# KiCad board GhostPAW.kicad_pcb
title: GhostPAW; date: 2025-09-07; rev: 0.1; company: _RoseDaggerDev
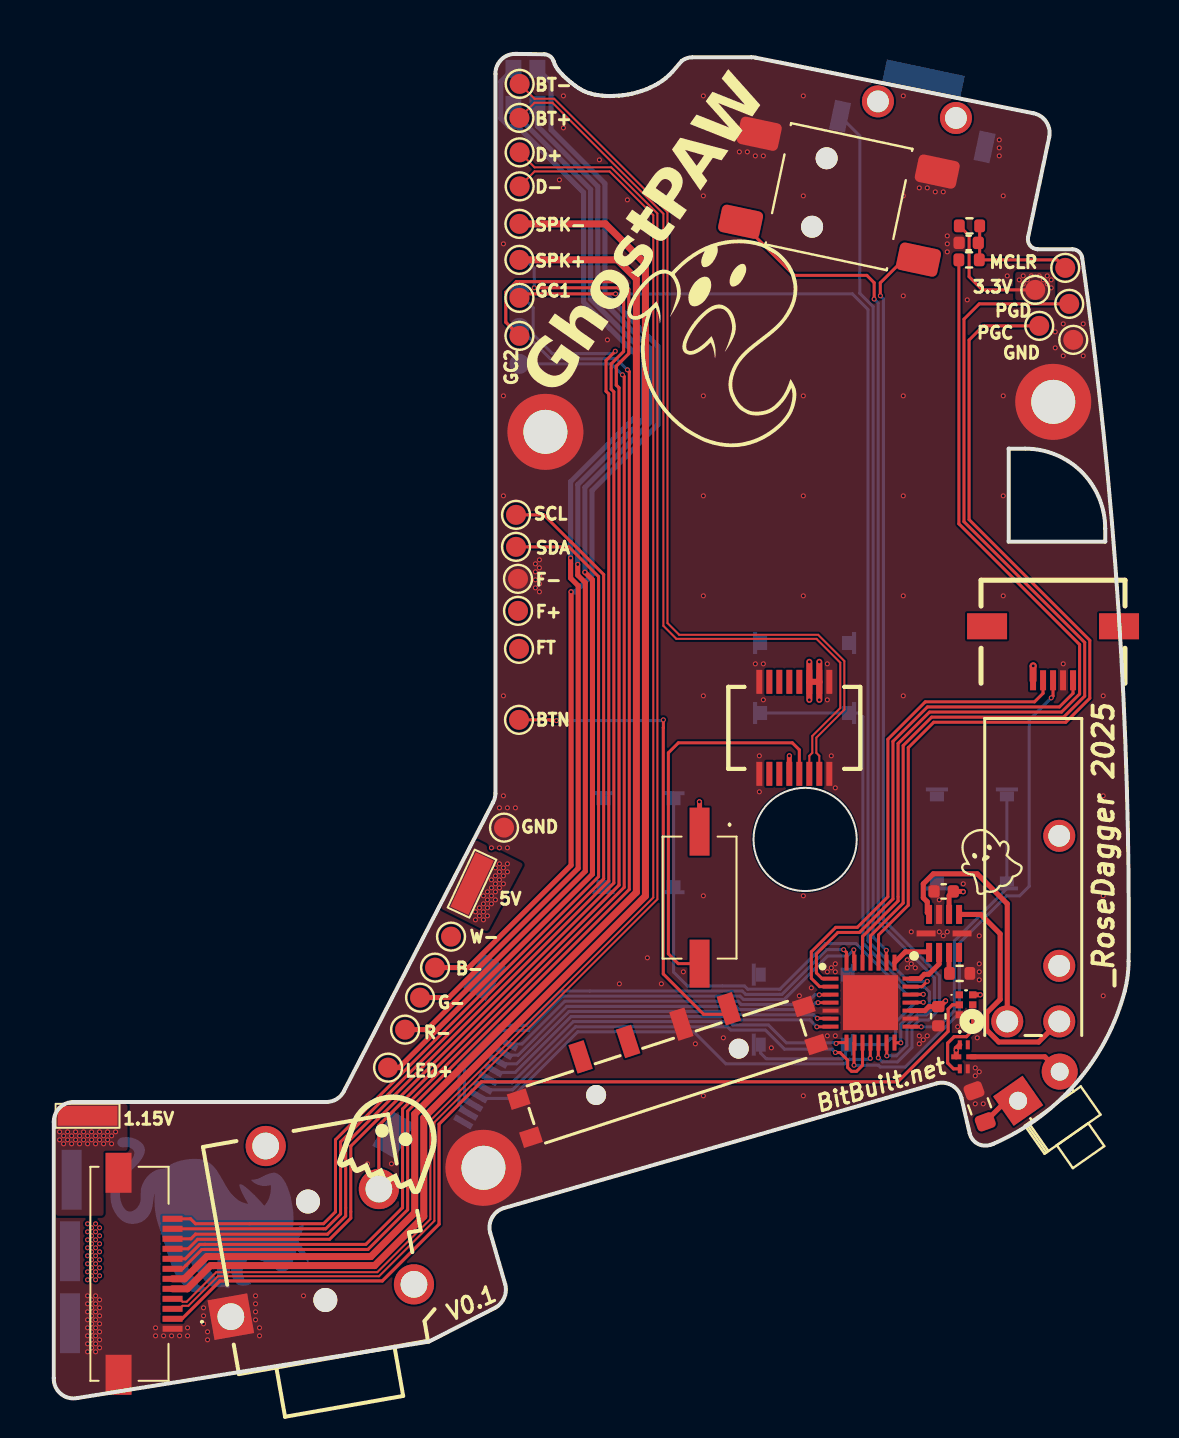
[diagram p0: board, top side]
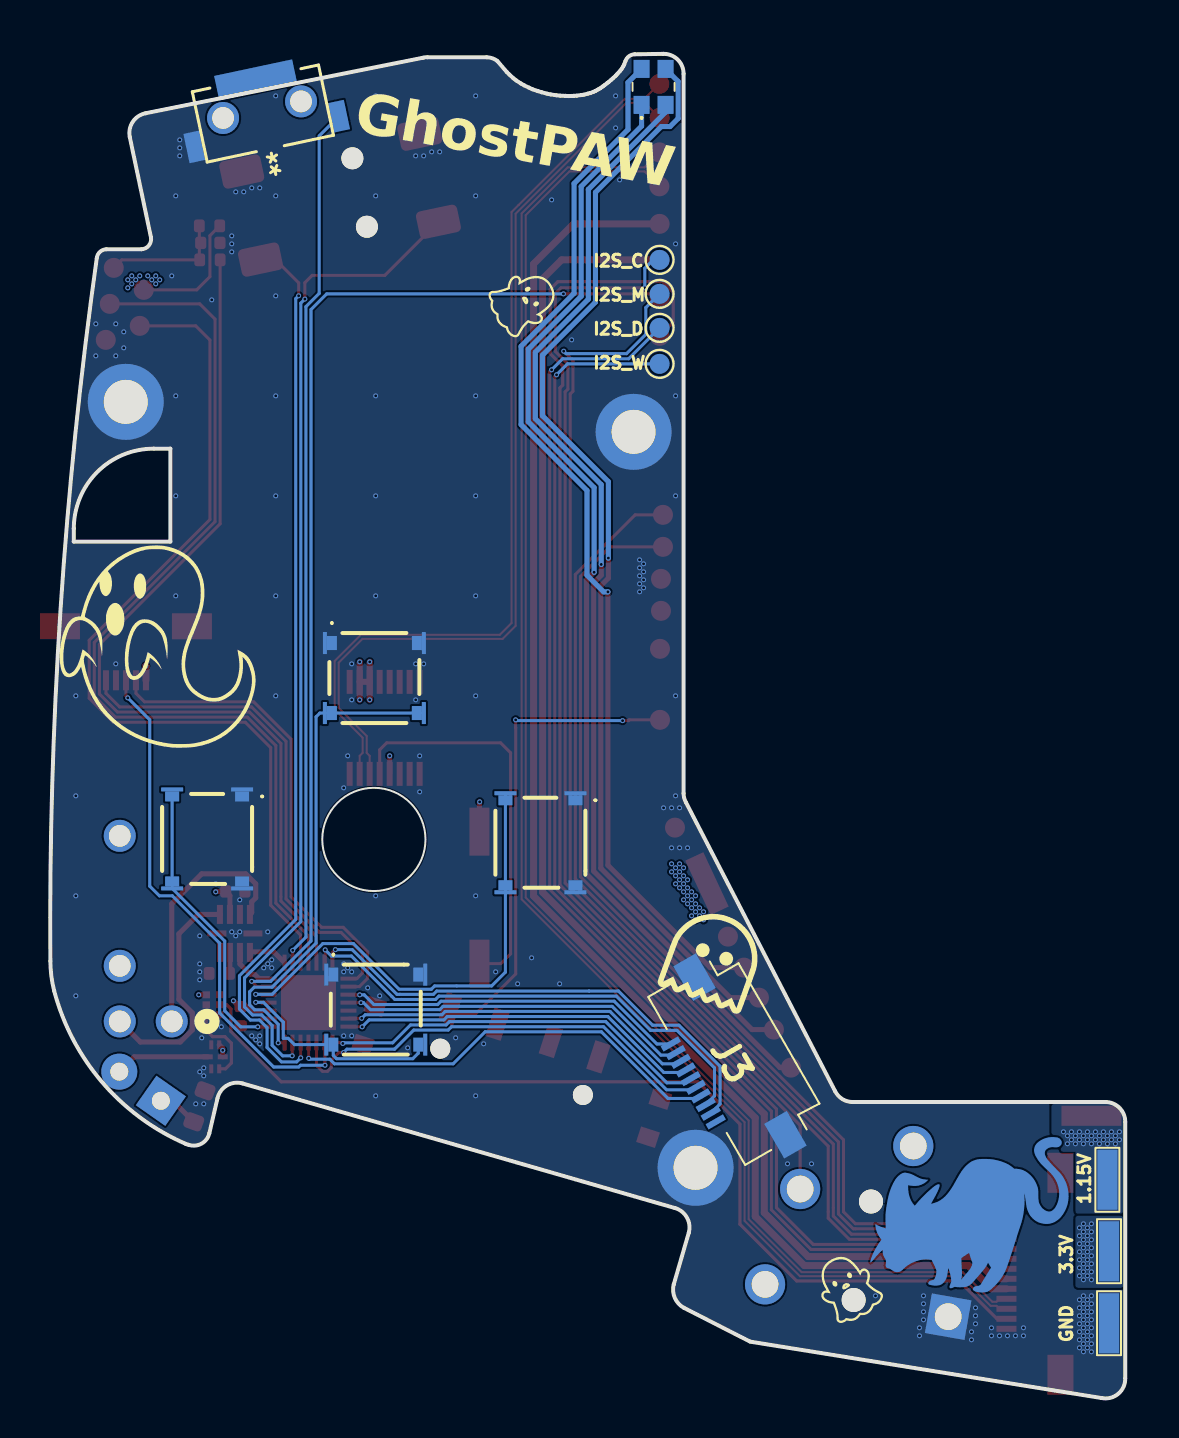
[diagram p1: board, bottom side, seen from below]

Outline 53.76 x 67.21 mm; copper layers: Top, In1.Cu, In2.Cu, Bottom. Coordinates in mm from the lower left corner of the outline.
Outline path: circle c37.58,27.93 r2.58 ; 46.84,12.66 arc(46.2,12.72) 45.81,13.24 45.4,15 arc(44.93,15.63) 44.15,15.73 22.52,9.5 arc(21.92,9.02) 21.83,8.26 22.58,5.68 arc(22.53,5.01) 22.07,4.51 18.76,2.82 1.18,0 arc(0.35,0.21) 0,0.99 0,13.8 arc(0.29,14.51) 1,14.8 13.62,14.8 arc(14.14,14.94) 14.51,15.34 21.97,29.78 arc(22.06,30) 22.09,30.24 22.09,66.21 arc(22.39,66.93) 23.11,67.21 24.53,67.19 arc(24.82,67.09) 25,66.84 25.06,66.68 25.11,66.58 25.2,66.44 25.28,66.34 25.4,66.21 25.48,66.12 25.61,66 25.7,65.92 25.83,65.81 25.92,65.74 26.05,65.64 26.13,65.58 26.26,65.49 26.35,65.44 26.49,65.36 26.6,65.31 26.76,65.25 26.88,65.22 27.07,65.17 27.21,65.15 27.43,65.12 27.58,65.11 27.83,65.1 28,65.11 28.27,65.12 28.45,65.14 28.73,65.18 28.92,65.22 29.19,65.29 29.38,65.35 29.65,65.44 29.82,65.52 30.07,65.64 30.23,65.73 30.46,65.88 30.6,65.99 30.8,66.17 30.93,66.3 31.41,66.86 arc(31.66,66.99) 31.94,67.04 34.89,67.04 arc(35,67.04) 35.1,67.02 49,64.24 arc(49.64,63.81) 49.79,63.06 48.73,58.04 arc(48.83,57.63) 49.21,57.44 50.95,57.44 arc(51.28,57.31) 51.44,56.99 arc(53.25,39.46) 53.76,21.84 arc(53.71,21.09) 53.57,20.36 arc(51.16,15.78) 46.99,12.71 ; 47,12.71 46.84,12.66 ; 47.76,47.47 47.76,42.82 52.59,42.82 52.59,43.47 arc(51.42,46.3) 48.59,47.47 47.76,47.47
Stack: Top 0.035mm / dielectric 0.1mm FR4 er 4.5 / In1.Cu 0.035mm / dielectric 0.24mm FR4 er 4.5 / In2.Cu 0.035mm / dielectric 0.1mm FR4 er 4.5 / Bottom 0.035mm

## Placement (name value [footprint] x y rotation side)
C1  100n  [C_0402_1005Metric]  44.24 19.09 90 top
C2  C_Small  [C_0402_1005Metric]  44.51 25.33 180 top
C3  100n  [C_0402_1005Metric]  45.76 57.76 0 top
D1  LED  [LED_D1.8mm_W1.8mm_H2.4mm_Horizontal_O1.27mm_Z8.2mm]  48.23 14.86 35 top
G***  -  [LOGO]  33.49 53.11 330 top
G***#2  -  [LOGO]  16.94 12.96 340 top
G***#3  -  [LOGO]  46.69 26.91 30 top
G***#4  -  [LOGO]  7.43 10.01 190 bottom
G***#5  -  [LOGO]  48.39 37.61 180 bottom
G***#6  -  [LOGO]  20.62 21.98 200 bottom
G***#7  -  [LOGO]  13.89 5.51 150 bottom
G***#8  -  [LOGO]  30.09 54.81 240 bottom
H1  SJ3-35094A  [SJ335094A]  8.86 4.07 100 top
H2  MountingHole_Pad  [MountingHole_2.2mm_M2_DIN965_Pad]  24.59 48.31 0 top
H3  MountingHole_Pad  [MountingHole_2.2mm_M2_DIN965_Pad]  21.49 11.51 0 top
H4  MountingHole_Pad  [MountingHole_2.2mm_M2_DIN965_Pad]  49.99 49.81 0 top
IC1  PIC18F24K42-I_MV  [QFN40P400X400X55-29N-D]  40.85 19.77 0 top
IC2  DRV2603RUNR  [QFN50P200X200X80-10N-D]  44.53 23.23 90 top
IC6  74LVC1G04GM,115  [PESD3V3L5UF115]  45.63 19.66 270 top
IC9  -  [TPS22995RZFR]  45.52 17.06 0 top
J1  Conn_01x05_Socket  [5051100592]  49.98 38.14 180 top
J2  54102-0164  [541020164]  37.04 33.51 180 top
J3  505110-1092  [5051101092]  19.46 16.99 60 bottom
J4  505110-1292  [5051101292]  3.48 6.21 270 top
LED1  ASMB-LTC2-0A335  [ASMBLTC20A335]  23.59 65.56 270 bottom
M1  VZ4KC1B1051202  [VZ4KC1B1051202_VYB]  47.69 18.83 180 top
R1  10k  [R_0402_1005Metric]  45.31 21.23 0 top
R2  10k  [R_0402_1005Metric]  45.8 58.61 180 top
R3  100  [R_0402_1005Metric]  45.78 56.91 180 top
R4  18  [R_0603_1608Metric]  46.31 14.59 110 top
S1  -  [TL3315NF100Q]  37.55 36 180 bottom
S2  -  [TL3315NF100Q]  37.48 19.42 180 bottom
S3  -  [TL3315NF100Q]  45.92 27.96 270 bottom
S4  -  [TL3315NF100Q]  29.25 27.77 270 bottom
S5  PTS636_SK25F_SMTR_LFS  [PTS636SK25FSMTRLFS]  32.3 25.02 270 top
SW1  GC_Two_State_Switch  [GC_Two_state_switch]  39.27 60.07 78 top
SW2  CUS-13TB  [CUS-13TB_NDC]  30.69 16.31 18 top
TP1  LED -R  [TestPoint_Pad_D1.0mm]  23.29 64.01 0 top
TP2  LED -G  [TestPoint_Pad_D1.0mm]  23.3 65.71 0 top
TP3  5V  [TestPoint_Pad_3x1.0mm]  0.81 7.34 90 bottom
TP4  LED -R  [TestPoint_Pad_D1.0mm]  23.3 62.29 0 top
TP5  LED -G  [TestPoint_Pad_D1.0mm]  23.3 60.59 0 top
TP6  LED -R  [TestPoint_Pad_D1.0mm]  23.29 55.21 180 bottom
TP7  SCL  [TestPoint_Pad_D1.0mm]  23.12 44.16 0 top
TP8  SDA  [TestPoint_Pad_D1.0mm]  23.12 42.56 0 top
TP9  LED -R  [TestPoint_Pad_D1.0mm]  23.29 56.91 180 bottom
TP10  FAN+  [TestPoint_Pad_D1.0mm]  23.22 39.36 0 top
TP11  5V  [TestPoint_Pad_3x1.0mm]  0.81 3.74 90 bottom
TP12  FAN-  [TestPoint_Pad_D1.0mm]  23.22 40.96 0 top
TP13  LED -R  [TestPoint_Pad_D1.0mm]  23.29 51.71 180 bottom
TP14  FAN_TACH  [TestPoint_Pad_D1.0mm]  23.27 37.46 0 top
TP15  LED -R  [TestPoint_Pad_D1.0mm]  23.29 56.91 0 top
TP16  LED -R  [TestPoint_Pad_D1.0mm]  23.29 58.71 0 top
TP17  LED -R  [TestPoint_Pad_D1.0mm]  23.29 53.51 180 bottom
TP18  BTN  [TestPoint_Pad_D1.0mm]  23.27 33.91 0 top
TP19  5V  [TestPoint_Pad_3x1.0mm]  0.89 10.91 270 bottom
TP20  5V  [TestPoint_Pad_3x1.0mm]  1.69 14.11 0 top
TP21  LED -G  [TestPoint_Pad_D1.0mm]  23.29 55.01 0 top
TP22  LED -G  [TestPoint_Pad_D1.0mm]  23.29 53.11 0 top
TP23  U10  [TestPoint_Pad_D1.0mm]  22.52 28.52 0 top
TP24  LED -R  [TestPoint_Pad_D1.0mm]  50.59 56.51 0 top
TP25  5V  [TestPoint_Pad_3x1.0mm]  20.92 25.72 65 top
TP26  LED -R  [TestPoint_Pad_D1.0mm]  49.09 55.41 0 top
TP27  LED -R  [TestPoint_Pad_D1.0mm]  50.79 54.71 0 top
TP28  LED -W  [TestPoint_Pad_D1.0mm]  19.87 23.07 0 top
TP29  LED -B  [TestPoint_Pad_D1.0mm]  19.07 21.52 0 top
TP30  LED -G  [TestPoint_Pad_D1.0mm]  18.32 20.02 0 top
TP31  LED -R  [TestPoint_Pad_D1.0mm]  49.29 53.61 0 top
TP32  LED -R  [TestPoint_Pad_D1.0mm]  17.57 18.42 0 top
TP33  LED -R  [TestPoint_Pad_D1.0mm]  50.99 52.91 0 top
TP34  LED +  [TestPoint_Pad_D1.0mm]  16.72 16.52 0 top
U6  KSC441V2 70SH SPDELTA LFS  [SW3_KSC441V2]  42.94 63.33 348 bottom

## Library data of the parts
C1-C3 = -: Description: Unpolarized capacitor, small symbol; ki_fp_filters: C_*
D1 = -: Description: Light emitting diode; Sim.Pins: 1=K 2=A; ki_fp_filters: LED* LED_SMD:* LED_THT:*
H1 = -: Datasheet: https://www.sameskydevices.com/product/resource/sj3-3509x.pdf; Description: 3.50mm (0.141", 1/8", Mini Plug) - Headphone Phone Jack Stereo (4 Conductor, TRRS) Connector Solder; Height: 6.2; Mouser Part Number: 179-SJ3-35094A; Mouser Price/Stock: https://www.mouser.co.uk/ProductDetail/Same-Sky/SJ3-35094A?qs=IKkN%2F947nfA8GkuzO%2F2WRA%3D%3D; Manufacturer_Name: Same Sky
H2-H4 = -: ki_fp_filters: MountingHole*Pad*
IC1 = -: Datasheet: https://www.arrow.com/en/products/pic18f24k42-imv/microchip-technology?region=nac; Description: 8-bit Microcontrollers - MCU 16KB Flash, 1KB RAM, 256B EEPROM, 12-bit ADC2, Vector Interrupts, DMA, MAP, DIA, DAC, Comp, PWM, CWG, HLT, WWDT, SCAN/CRC, ZCD, PPS, UART, SPI/I2C, IDLE/DOZE/PMD; Height: 0.55; Mouser Part Number: 579-PIC18F24K42-I/MV; Mouser Price/Stock: https://www.mouser.co.uk/ProductDetail/Microchip-Technology/PIC18F24K42-I-MV?qs=IP4CA2YhK0D%252B%252B9J965U9dw%3D%3D; Manufacturer_Name: Microchip; Manufacturer_Part_Number: PIC18F24K42-I/MV
IC2 = -: Datasheet: http://www.ti.com/lit/gpn/drv2603; Description: Haptic Driver with Auto Resonance Tracking for LRA and Optimized Drive for ERM; Height: 0.8; Mouser Part Number: 595-DRV2603RUNR; Mouser Price/Stock: https://www.mouser.co.uk/ProductDetail/Texas-Instruments/DRV2603RUNR?qs=l6ZoeTYLMwNhoGl8Q31%2FaA%3D%3D; Manufacturer_Name: Texas Instruments
IC6 = -: Datasheet: https://assets.nexperia.com/documents/data-sheet/74LVC1G04.pdf; Description: 74LVC1G04 - Single inverter@en-us; Height: 0.5; Mouser Part Number: 771-LVC1G04GM115; Mouser Price/Stock: https://www.mouser.co.uk/ProductDetail/Nexperia/74LVC1G04GM115?qs=me8TqzrmIYXvgrQ5OHD1Cw%3D%3D; Manufacturer_Name: Nexperia
IC9 = -: Datasheet: https://www.ti.com/general/docs/suppproductinfo.tsp?distId=26&gotoUrl=https://www.ti.com/lit/gpn/tps22995; Description: Power Switch ICs - Power Distribution; Height: 0.8; Mouser Part Number: 595-TPS22995RZFR; Mouser Price/Stock: https://www.mouser.co.uk/ProductDetail/Texas-Instruments/TPS22995RZFR?qs=rQFj71Wb1eVPl%2Fzruf4rsQ%3D%3D; Manufacturer_Name: Texas Instruments
J1 = -: Description: Generic connector, single row, 01x05, script generated; ki_fp_filters: Connector*:*_1x??_*
J2 = -: Datasheet: https://www.molex.com/pdm_docs/sd/541020164_sd.pdf; Description: Molex SLIMSTACK Series 0.5mm 16 Way 2 Row Straight PCB Socket Surface Mount Board to Board; Height: 2.45; Mouser Part Number: 538-54102-0164; Mouser Price/Stock: https://www.mouser.co.uk/ProductDetail/Molex/54102-0164?qs=QVBMgXxBiLxElgERTWRagA%3D%3D; Manufacturer_Name: Molex
J3 = -: Datasheet: https://www.molex.com/webdocs/datasheets/pdf/en-us/5051101092_FFC_FPC_CONNECTORS.pdf; Description: Molex Easy-On Series 0.5mm Pitch 10 Way Right Angle SMT Male FPC Connector, ZIF Bottom Contact; Height: 0; Mouser Part Number: 538-505110-1092; Mouser Price/Stock: https://www.mouser.co.uk/ProductDetail/Molex/505110-1092?qs=BA62vJVifGrjJfo6A8tlOw%3D%3D; Manufacturer_Name: Molex
J4 = -: Datasheet: https://componentsearchengine.com/Datasheets/1/505110-1292.pdf; Description: Molex Easy-On Series 0.5mm Pitch 12 Way Right Angle SMT Male FPC Connector, ZIF Bottom Contact; Height: 3.95; Mouser Part Number: 538-505110-1292; Mouser Price/Stock: https://www.mouser.co.uk/ProductDetail/Molex/505110-1292?qs=BA62vJVifGptACMEATLLfQ%3D%3D; Manufacturer_Name: Molex
LED1 = -: Datasheet: https://datasheet.datasheetarchive.com/originals/distributors/Datasheets_SAMA/7bf4059288332b456b15eab80a49c995.pdf; Description: LED Multi-Color Chip Red/Green/Blue 621nm/525nm/468nm 25mA/15mA/15mA 4-Pin PLCC T/R - Tape and Reel; Height: 1.2; Mouser Part Number: 630-ASMB-LTC2-0A335; Mouser Price/Stock: https://www.mouser.co.uk/ProductDetail/Broadcom-Avago/ASMB-LTC2-0A335?qs=PqoDHHvF64%252BTpsIt8ceXfQ%3D%3D; Manufacturer_Name: Avago Technologies
M1 = -: ki_fp_filters: VZ4KC1B1051202_VYB
R1-R4 = -: Description: Resistor, small symbol; ki_fp_filters: R_*
S1-S4 = -: Datasheet: https://configured-product-images.s3.amazonaws.com/2D/specs/TL3315NF100Q.pdf; Description: TACT, 50mA, 15VDC SPST-NO, Off-(On) Surface Mount; Height: 0.85; Mouser Part Number: 612-TL3315NF100Q; Mouser Price/Stock: https://www.mouser.co.uk/ProductDetail/E-Switch/TL3315NF100Q?qs=g35H13458KZZxv0XYR2YuQ%3D%3D; Manufacturer_Name: E-Switch
S5 = -: Description: Tactile Switches Tact 50mA 12VDC, 6.0x3.5, 2.5mm H, 250gf, F leads, No ground pin, Red Actuator; Height: 2.7; Mouser Part Number: 611-PTS636SK25FSMTRL; Mouser Price/Stock: https://www.mouser.co.uk/ProductDetail/CK/PTS636-SK25F-SMTR-LFS?qs=vLWxofP3U2zO9PvdsA2GhQ%3D%3D; Manufacturer_Name: C & K COMPONENTS; Manufacturer_Part_Number: PTS636 SK25F SMTR LFS
SW1 = -: Description: Double Pole Single Throw (DPST) Switch
SW2 = -: ki_fp_filters: CUS-13TB_NDC
TP1-TP34 = -: ki_fp_filters: Pin* Test*
U6 = -: ki_fp_filters: SW3_KSC441V2

## Footprints (pads in the part's own frame, mm; a bottom-side part is the same pattern mirrored in y, then rotated)
541020164
  rect 0.3x1.2 smd: 1(-1.75,-2.3) 2(-1.25,-2.3) 3(-0.75,-2.3) 4(-0.25,-2.3) 5(0.25,-2.3) 6(0.75,-2.3) 7(1.25,-2.3) 8(1.75,-2.3) 9(1.75,2.3) 10(1.25,2.3) 11(0.75,2.3) 12(0.25,2.3) 13(-0.25,2.3) 14(-0.75,2.3) 15(-1.25,2.3) 16(-1.75,2.3)
5051100592
  rect 0.3x1 smd: 1(-1,2.252) 2(-0.5,2.252) 3(0,2.252) 4(0.5,2.252) 5(1,2.252)
  rect 2x1.3 smd: 6(-3.3,-0.448) 7(3.3,-0.448)
5051101092
  rect 0.3x1 smd: 1(-2.25,2.475) 2(-1.75,2.475) 3(-1.25,2.475) 4(-0.75,2.475) 5(-0.25,2.475) 6(0.25,2.475) 7(0.75,2.475) 8(1.25,2.475) 9(1.75,2.475) 10(2.25,2.475)
  rect 2x1.3 smd: 11(-4.55,-0.225) 12(4.55,-0.225)
5051101292
  rect 0.3x1 smd: 1(-2.75,2.455) 2(-2.25,2.455) 3(-1.75,2.455) 4(-1.25,2.455) 5(-0.75,2.455) 6(-0.25,2.455) 7(0.25,2.455) 8(0.75,2.455) 9(1.25,2.455) 10(1.75,2.455) 11(2.25,2.455) 12(2.75,2.455)
  rect 2x1.3 smd: MP1(-5.05,-0.245) MP2(5.05,-0.245)
ASMBLTC20A335
  rect 0.9x0.8 smd: 1(0.9,-0.6) 2(0.9,0.6) 3(-0.9,0.6) 4(-0.9,-0.6)
C_0402_1005Metric
  rrect 0.56x0.62 smd: 1(-0.48,0) 2(0.48,0)
CUS-13TB_NDC
  round 1 hole 1 unplated: (-3.75,0) (3.75,0)
  rect 0.8x1.499 smd: 1(-3.9,2.052) 2(-1.4,2.052) 3(1.4,2.052) 4(3.9,2.052)
  rect 0.991x0.813 smd: SH(-7.5,1) SH(-7.5,-1) SH(7.5,1) SH(7.5,-1)
GC_Two_state_switch
  round 1.1 hole 1.1 unplated: (-1.75,1) (1.75,1)
  rrect 1.4x2.1 smd: 1(-2.25,4.55) 2(-2.25,-4.55) C(2.25,4.55) C(2.25,-4.55)
LED_D1.8mm_W1.8mm_H2.4mm_Horizontal_O1.27mm_Z8.2mm
  rect 1.8x1.8 hole 0.9: 1(0,0)
  round 1.8 hole 0.9: 2(2.54,0)
MountingHole_2.2mm_M2_DIN965_Pad
  round 3.8 hole 2.2: 1(0,0)
PESD3V3L5UF115
  rect 0.35x0.37 smd: 1(-0.5,-0.337) 2(0,-0.337) 3(0.5,-0.337) 4(0.5,0.337) 5(0,0.337) 6(-0.5,0.337)
PTS636SK25FSMTRLFS
  rect 2.4x1 smd: 1(-3.3,0) 2(3.3,0)
QFN40P400X400X55-29N-D
  rect 0.8x0.2 smd: 1(-2,1.2) 2(-2,0.8) 3(-2,0.4) 4(-2,0) 5(-2,-0.4) 6(-2,-0.8) 7(-2,-1.2) 15(2,-1.2) 16(2,-0.8) 17(2,-0.4) 18(2,0) 19(2,0.4) 20(2,0.8) 21(2,1.2)
  rect 0.2x0.8 smd: 8(-1.2,-2) 9(-0.8,-2) 10(-0.4,-2) 11(0,-2) 12(0.4,-2) 13(0.8,-2) 14(1.2,-2) 22(1.2,2) 23(0.8,2) 24(0.4,2) 25(0,2) 26(-0.4,2) 27(-0.8,2) 28(-1.2,2)
  rect 2.75x2.75 smd: 29(0,0)
QFN50P200X200X80-10N-D
  rect 0.95x0.3 smd: 1(-0.95,0.75) 2(-0.95,0.25) 3(-0.95,-0.25) 4(-0.95,-0.75) 6(0.95,-0.75) 7(0.95,-0.25) 8(0.95,0.25) 9(0.95,0.75)
  rect 0.3x0.95 smd: 5(0,-0.9) 10(0,0.9)
R_0402_1005Metric
  rrect 0.54x0.64 smd: 1(-0.51,0) 2(0.51,0)
R_0603_1608Metric
  rrect 0.8x0.95 smd: 1(-0.825,0) 2(0.825,0)
SJ335094A
  round 1.2 hole 1.2 unplated: (0,-4.8) (5,-4.8)
  rect 2.01x2.01 hole 1.34: 1(0,0)
  round 2.01 hole 1.34: 2(5,-8.4) 3(8.1,-3.2) 4(0,-9.3)
SW3_KSC441V2
  rect 0.813x1.499 smd: 1(-3.696,0) 2(3.696,0)
  rect 3.988x1.245 smd: 3(0,-2.642)
  round 1.6 hole 1.092: 4(1.994,-1.118) 5(-1.994,-1.118)
TestPoint_Pad_3x1.0mm
  rect 3x1 smd: 1(0,0)
TestPoint_Pad_D1.0mm
  round 1 smd: 1(0,0)
TL3315NF100Q
  rect 0.5x0.7 smd: 1(-2.125,1.75) 2(2.125,1.75) 3(-2.125,-1.75) 4(2.125,-1.75)
  rect 0.2x1.1 smd: 5(-2.475,1.75) 6(2.475,1.75) 7(-2.475,-1.75) 8(2.475,-1.75)
TPS22995RZFR
  rect 0.2x0.45 smd: 1(-0.2,0.6) 3(-0.2,-0.6) 4(0.2,-0.6) 6(0.2,0.6)
  rect 0.5x0.25 smd: 2(-0.375,0) 5(0.375,0)
VZ4KC1B1051202_VYB
  round 1.6 hole 1.092: 1(0,0) 2(-2.6,0) 3(-2.6,-2.78) 4(-2.6,-9.28)

## Nets
+1V15: TP19.1 TP20.1
+3V3: C1.2 C2.1 H1.4 IC1.17 IC2.7 IC6.6 IC9.1 IC9.2 J1.5 J2.2 J2.3 J2.12 R2.2 S5.1 TP3.1 TP26.1
+5V: H1.3 TP25.1
GND: C1.1 C2.2 C3.1 H1.1 H2.1 H3.1 H4.1 IC1.5 IC1.16 IC1.29 IC2.5 IC2.8 IC2.10 IC6.3 IC9.4 J1.2 J2.1 J2.8 J2.9 J2.16 J3.11 J3.12 J4.12 J4.MP1 J4.MP2 R1.2 R4.2 S1.1 S1.2 S1.5 S1.6 S2.1 S2.2 S2.5 S2.6 S3.1 S3.2 S3.5 S3.6 S4.1 S4.2 S4.5 S4.6 SW1.C SW2.3 SW2.SH TP11.1 TP12.1 TP23.1 TP33.1 U6.2
VDD: LED1.1 TP34.1
A_BUTTON: IC1.3 J3.10
B-: LED1.4 TP29.1
B_BUTTON: IC1.4 J3.9
BT_DATA+: J2.14 TP1.1
BT_DATA-: J2.15 TP2.1
BT_SYNC: J2.13 S5.2
BTN: SW2.4 TP18.1
C_IN: J4.4 TP9.1
D_DOWN_BUTTON: IC1.15 S3.3 S3.4 S3.7 S3.8
D_IN: J4.6 TP17.1
D_LEFT_BUTTON: IC1.19 S4.3 S4.4 S4.7 S4.8
D_RIGHT_BUTTON: IC1.18 S2.3 S2.4 S2.7 S2.8
D_UP_BUTTON: IC1.14 S1.3 S1.4 S1.7 S1.8
FAN+: TP10.1
FAN_TACH: TP14.1
G-: LED1.3 TP30.1
GC_AUX_DATA: H1.2 TP22.1
GC_DATA: IC1.20 TP21.1
HPD: IC6.2 J4.11
L1_BUTTON: IC1.23 U6.1
L2_1_BUTTON: IC1.13 SW1.1
L2_2_BUTTON: IC1.12 SW1.2
LS_3: IC1.9 J1.3
LS_X: IC1.1 J1.1
LS_Y: IC1.2 J1.4
M_IN: J4.3 TP6.1
MCLR: C3.2 R2.1 R3.1 TP24.1
PGC: IC1.24 TP31.1
PGD: IC1.25 TP27.1
R1_BUTTON: IC1.8 J3.6
R2_1_BUTTON: IC1.10 J3.5
R2_2_BUTTON: IC1.11 J3.4
R-: LED1.2 TP32.1
RS_3: J3.1
RS_X: IC1.27 J3.3
RS_Y: IC1.28 J3.2
RUMBLE+: IC2.9 M1.1
RUMBLE-: IC2.6 M1.2
RUMBLE_EN: IC1.22 IC2.1
RUMBLE_PWM: IC1.21 IC2.2
SCL: J4.2 TP7.1
SDA: J4.1 TP8.1
SPKL+: J4.7 TP15.1
SPKL-: J4.8 TP16.1
USB_DATA+: J4.10 TP4.1
USB_DATA-: J4.9 TP5.1
W-: TP28.1
W_IN: J4.5 TP13.1
X_BUTTON: IC1.6 J3.8
Y_BUTTON: IC1.7 J3.7
Net-(D1-A): D1.2 IC9.5
Net-(D1-K): D1.1 R4.1
Net-(IC1-RE3/~{MCLR}/VPP): IC1.26 R3.2
Net-(IC2-LRA/~{ERM}): IC2.3 R1.1
Net-(IC6-Y): IC6.4 IC9.3

Pads without a net: IC2 4; IC6 1 5; IC9 6; J1 6 7; J2 4 5 6 7 10 11; M1 3 4; SW2 1 2; U6 3 4 5

## Via types
v1: diameter 0.25, hole 0.15, Top to Bottom, 323 vias

## Routing (per net, layer and track width the routed paths; a pad name or vN(x,y) marks a point on that pad's centre or on a via; arc(x,y) is an arc through that point)
+1V15:
  vias: v1(0.29,13.31) v1(0.29,12.91) v1(0.49,13.11) v1(0.49,12.71) v1(0.69,13.31) v1(0.69,12.91) v1(0.89,13.11) v1(0.89,12.71) v1(1.09,13.31) v1(1.09,12.91) v1(1.29,13.11) v1(1.29,12.71) v1(1.49,13.31) v1(1.49,12.91) v1(1.69,13.11) v1(1.69,12.71) v1(1.89,13.31) v1(1.89,12.91) v1(2.09,13.11) v1(2.09,12.71) v1(2.29,13.31) v1(2.29,12.91) v1(2.49,13.11) v1(2.49,12.71) v1(2.69,13.31) v1(2.69,12.91) v1(2.89,13.11) v1(2.89,12.71) v1(3.09,13.31)
+3V3: length 18.5
  Top w0.152: R2.2 45.78,58.12 45.78,56.07 46.44,55.41 TP26.1
  Top w0.25: J2.12 v1(36.79,32.11) ; IC1.17 43.57,19.37 43.77,19.57 C1.2 44.32,19.57 v1(44.61,19.86) ; IC2.7 44.78,25.12 C2.1 45.47,25.33 v1(45.49,25.31) ; S5.1 32.3,29.8 v1(32.29,29.81)
  Top w0.254: IC6.6 v1(46.34,20.16) ; 45.31,17.66 45.14,17.49 v1(45.14,17.39) IC9.2
  Top w0.305: J2.2 v1(38.29,36.81) ; J2.2 J2.3 ; J2.2 v1(38.29,34.91) ; J2.3 v1(37.79,34.91) ; J2.3 v1(37.79,36.81)
  Top w0.35: J1.5 48.98,36.6 v1(48.99,36.61)
  vias: v1(1.69,8.71) v1(1.69,8.31) v1(1.69,7.91) v1(1.69,7.51) v1(1.69,7.11) v1(1.69,6.71) v1(1.69,6.31) v1(1.69,5.91) v1(1.89,8.51) v1(1.89,8.11) v1(1.89,7.71) v1(1.89,7.31) v1(1.89,6.91) v1(1.89,6.51) v1(1.89,6.11) v1(2.09,8.71) v1(2.09,8.31) v1(2.09,7.91) v1(2.09,7.51) v1(2.09,7.11) v1(2.09,6.71) v1(2.09,6.31) v1(2.09,5.91) v1(2.29,8.51) v1(2.29,8.11) v1(2.29,7.71) v1(2.29,7.31) v1(2.29,6.91) v1(2.29,6.51) v1(2.29,6.11) v1(48.29,55.91) v1(48.49,56.11) v1(48.49,55.71) v1(48.69,55.91) v1(48.89,56.11) v1(49.29,56.11) v1(49.49,55.91) v1(49.69,56.11) v1(49.69,55.71) v1(49.89,55.91) v1(49.89,55.51)
+5V:
  vias: v1(21.09,24.31) v1(21.09,23.91) v1(21.29,24.51) v1(21.29,24.11) v1(21.49,25.11) v1(21.49,24.71) v1(21.49,24.31) v1(21.49,23.91) v1(21.69,25.31) v1(21.69,24.91) v1(21.69,24.51) v1(21.69,24.11) v1(21.89,25.91) v1(21.89,25.51) v1(21.89,25.11) v1(21.89,24.71) v1(22.09,26.51) v1(22.09,26.11) v1(22.09,25.71) v1(22.09,25.31) v1(22.09,24.91) v1(22.29,26.71) v1(22.29,26.31) v1(22.29,25.91) v1(22.29,25.51) v1(22.49,26.51) v1(22.49,26.11) v1(22.49,25.71) v1(22.69,26.71) v1(22.69,26.31)
GND:
  vias: v1(1.69,5.11) v1(1.69,4.71) v1(1.69,4.31) v1(1.69,3.91) v1(1.69,3.51) v1(1.69,3.11) v1(1.69,2.71) v1(1.69,2.31) v1(1.89,4.91) v1(1.89,4.51) v1(1.89,4.11) v1(1.89,3.71) v1(1.89,3.31) v1(1.89,2.91) v1(1.89,2.51) v1(2.09,5.11) v1(2.09,4.71) v1(2.09,4.31) v1(2.09,3.91) v1(2.09,3.51) v1(2.09,3.11) v1(2.09,2.71) v1(2.09,2.31) v1(2.29,4.91) v1(2.29,4.51) v1(2.29,4.11) v1(2.29,3.71) v1(2.29,3.31) v1(2.29,2.91) v1(2.29,2.51) v1(5.09,3.51) v1(5.09,3.11) v1(5.49,3.11) v1(5.89,3.11) v1(6.29,3.11) v1(6.69,3.51) v1(6.69,3.11) v1(7.49,4.51) v1(7.49,4.11) v1(7.49,3.71) v1(7.69,3.31) v1(7.69,2.91) v1(10.09,5.11) v1(10.09,4.71) v1(10.09,4.31) v1(10.09,3.91) v1(10.29,3.51) v1(10.29,3.11) v1(12.49,5.11) v1(15.69,11.71) v1(16.89,11.71) v1(21.89,27.51) v1(22.29,29.51) v1(22.29,27.51) v1(22.49,57.71) v1(22.49,50.11) v1(22.49,45.11) v1(22.49,35.11) v1(22.49,30.11) v1(22.69,29.51) v1(22.69,27.51) v1(23.09,29.51) v1(24.09,41.71) v1(24.09,41.31) v1(24.09,40.91) v1(24.09,40.51) v1(24.29,41.91) v1(24.29,41.51) v1(24.29,41.11) v1(24.29,40.71) v1(24.29,40.31) v1(25.29,60.91) v1(25.49,65.11) v1(25.49,63.51) v1(27.29,61.91) v1(27.69,52.91) v1(28.29,20.71) v1(28.69,59.91) v1(29.69,22.01) v1(30.39,20.71) v1(31.49,21.31) v1(32.09,17.71) v1(32.49,65.11) v1(32.49,60.11) v1(32.49,50.11) v1(32.49,45.11) v1(32.49,40.11) v1(32.49,35.11) v1(32.49,25.11) v1(32.49,15.11) v1(33.49,18.01) v1(34.29,62.31) v1(34.69,62.31) v1(35.09,62.11) v1(35.09,36.71) v1(35.29,32.11) v1(35.29,30.31) v1(35.49,62.11) v1(35.49,36.71) v1(35.49,34.91) v1(35.89,17.51) v1(37.29,20.11) v1(37.49,65.11) v1(37.49,60.11) v1(37.49,50.11) v1(37.49,45.11) v1(37.49,40.11) v1(37.49,25.11) v1(37.49,15.11) v1(37.89,20.51) v1(38.69,36.71) v1(38.69,34.91) v1(38.69,21.31) v1(38.69,18.11) v1(38.89,32.11) v1(38.89,21.51) v1(39.09,30.51) v1(39.09,21.71) v1(39.09,21.31) v1(39.09,18.11) v1(42.49,65.11) v1(42.49,60.11) v1(42.49,55.11) v1(42.49,50.11) v1(42.49,45.11) v1(42.49,40.11) v1(42.49,35.11) v1(42.69,21.91) v1(42.69,21.51) v1(42.89,23.31) v1(42.89,21.71) v1(43.09,21.51) v1(43.29,60.51) v1(43.29,18.11) v1(43.29,17.71) v1(43.49,17.91) v1(43.69,60.51) v1(43.69,18.11) v1(44.09,60.31) v1(44.29,24.91) v1(44.29,23.31) v1(44.49,60.31) v1(44.49,23.11) v1(44.69,58.11) v1(44.69,57.71) v1(44.69,57.31) v1(44.69,23.31) v1(45.21,18.56) v1(45.49,25.71) v1(45.59,18.71) v1(45.69,54.91) v1(46.09,16.51) v1(46.09,16.11) v1(46.09,14.71) v1(46.19,18.01) v1(46.29,23.11) v1(46.29,21.71) v1(46.29,21.31) v1(46.29,20.91) v1(46.29,16.31) v1(46.49,14.71) v1(47.29,62.91) v1(47.29,62.51) v1(47.29,62.11) v1(47.49,60.11) v1(47.49,50.11) v1(47.49,45.11) v1(47.49,40.11) v1(47.69,56.11) v1(50.09,53.31) v1(50.09,52.51) v1(50.49,53.71) v1(50.49,52.11) v1(50.49,36.71) v1(51.49,53.71) v1(51.49,52.11) v1(52.49,35.11) v1(52.49,30.11) v1(52.49,25.11) v1(52.49,20.11)
VDD: length 56.6
  Top w0.254: v1(26.56,41.29) 26.94,40.91 26.94,26.2 17.27,16.52 TP34.1
  Bottom w0.254: LED1.1 24.19,63.6 27.21,60.58 27.21,55.09 29.86,52.44 29.86,48.82 26.56,45.52 v1(26.56,41.29)
A_BUTTON: length 17.3
  Top w0.152: v1(38.29,20.16) 38.84,20.16
  Bottom w0.152: J3.10 23.42,17.7 25.56,19.84 34.22,19.84 34.39,19.67 37.58,19.67 38.06,20.16 v1(38.29,20.16)
B-: length 53.2
  Top w0.254: TP29.1 20.75,21.52 25.87,26.64 v1(25.87,40.31)
  Bottom w0.254: LED1.4 24.87,65.78 24.87,63.42 27.57,60.73 27.57,55.24 30.22,52.59 30.22,48.67 26.92,45.38 26.92,41.14 26.09,40.31 v1(25.87,40.31)
B_BUTTON: length 17.5
  Top w0.152: v1(38.23,19.77) IC1.4
  Bottom w0.152: 22.61,17.14 23.22,17.14 25.67,19.59 33.31,19.59 34.12,19.58 34.28,19.42 37.75,19.42 38.1,19.77 v1(38.23,19.77)
BT_DATA+: length 46.2
  Top w0.102: TP1.1 24.04,64.76 24.94,64.76 30.49,59.22 30.49,38.61 31.14,37.96 38.15,37.96 39.34,36.77 39.34,34.5 37.94,33.1 37.94,32.26 37.79,32.11 J2.14
BT_DATA-: length 46.5
  Top w0.102: TP2.1 24.04,64.97 25.03,64.97 30.34,59.66 30.34,59.66 30.69,59.3 30.69,38.75 31.28,38.16 38.23,38.16 39.54,36.85 39.54,34.42 38.14,33.02 38.14,32.26 38.29,32.11 J2.15
BT_SYNC: length 19.9
  Top w0.152: S5.2 31.23,21.72 30.74,22.21 30.74,32.26 31.24,32.76 36.94,32.76 37.29,32.41 J2.13
BTN: length 24.2
  Top w0.152: v1(30.49,33.91) 30.49,33.52 30.49,33.51 30.48,21.21 32.5,19.19 33.49,19.19 SW2.4 ; TP18.1 24.81,33.91 24.85,33.87 v1(25.14,33.87)
  Bottom w0.152: v1(30.49,33.91) 30.45,33.87 v1(25.14,33.87)
C_IN: length 67.7
  Top w0.152: v1(24.03,55.51) 28.22,55.51 28.5,55.23 28.5,52.33 27.88,51.71 27.88,50.45 28.01,50.31 28.01,25.75 14.86,12.59 14.86,8.99 13.8,7.94 7.19,7.94 6.72,7.46 J4.4
  Bottom w0.152: v1(24.03,55.51) 24.03,56.48 23.6,56.91
D_DOWN_BUTTON: length 14.3
  Top w0.152: v1(43.39,18.56) 42.86,18.56
  Bottom w0.152: S3.3 S3.8 45.04,22.85 45.04,19.36 44.24,18.56 v1(43.39,18.56)
D_IN: length 65.9
  Top w0.152: v1(28.69,51.41) 28.79,51.32 28.79,25.43 17.7,14.34 17.7,9.41 15.71,7.43 7.66,7.43 7.66,7.43 7.51,7.43 7.5,7.43 7.41,7.43 6.62,6.64 6.62,6.63 6.61,6.63 6.44,6.46 J4.6
  Bottom w0.152: v1(28.69,51.41) 28.14,51.97 24.83,51.97 TP17.1
D_LEFT_BUTTON: length 24.4
  Top w0.152: v1(43.49,20.19) 42.86,20.19
  Bottom w0.152: v1(43.49,20.19) 42.67,20.19 40.13,22.72 38.6,22.72 36.32,20.44 34.71,20.44 34.54,20.6 31.69,20.6 31,21.29 S4.4 S4.7
D_RIGHT_BUTTON: length 10.9
  Top w0.152: v1(43.49,19.79) 42.86,19.79
  Bottom w0.152: v1(43.49,19.79) 43.1,19.79 42.11,18.79 42.11,17.98 41.86,17.98 41.55,17.67 S2.7 ; S2.4 35.36,17.24 35.64,16.97 39.45,16.97 39.61,17.13 S2.3
D_UP_BUTTON: length 24.8
  Top w0.152: v1(42.36,17.76) 42.06,17.76
  Bottom w0.152: v1(42.36,17.76) 42.36,18.69 43.09,19.41 43.54,19.41 43.79,19.66 43.79,20.31 43.56,20.54 42.67,20.54 40.47,22.75 40.47,34.06 40.28,34.25 S1.7 S1.8
G-: length 55.4
  Top w0.254: TP30.1 19.76,20.02 26.23,26.49 26.23,40.62 25.85,40.99 v1(25.85,42)
  Bottom w0.254: LED1.3 22.36,65.83 22.36,63.98 22.77,63.58 23.21,63.58 26.5,60.28 26.5,54.8 29.15,52.15 29.15,49.12 25.85,45.82 v1(25.85,42)
GC_AUX_DATA: length 59.3
  Top w0.16: TP22.1 22.61,53.79 22.61,55.29 23.14,55.82 28.38,55.82 28.76,55.44 28.76,52.22 28.14,51.6 28.14,50.65 28.27,50.51 28.27,25.64 16.26,13.63 H1.2
GC_DATA: length 53.9
  Top w0.152: v1(43.69,20.84) 43.42,20.57 IC1.20 ; v1(28.1,55.21) 23.49,55.21
  Bottom w0.152: v1(28.1,55.21) 39.94,55.21 40.73,54.42 40.73,22.85 42.74,20.84 v1(43.69,20.84)
HPD: length 49.4
  Top w0.16: IC6.2 44.95,19.66 44.73,19.45 44.73,18.33 42.21,15.81 21.39,15.81 19.27,13.69 19.27,8.69 16.43,5.85 8.31,5.85 6.41,3.96 J4.11
L1_BUTTON: length 43.3
  Top w0.152: v1(41.64,22.39) 41.64,21.78
  Bottom w0.152: v1(41.64,22.39) 40.98,23.04 40.98,54.57 40.31,55.24 40.31,63.11 U6.1
L2_1_BUTTON: length 50
  Top w0.152: v1(41.03,54.95) 41.03,55.77 40.67,56.14 37.03,56.14 SW1.1 ; v1(41.67,17.11) 41.67,17.76
  Bottom w0.152: v1(41.03,54.95) 41.23,54.75 41.24,23.82 44.05,21.01 44.05,19.55 43.65,19.16 43.19,19.16 42.67,18.63 42.67,17.63 42.14,17.11 v1(41.67,17.11)
L2_2_BUTTON: length 44.8
  Top w0.152: 42.5,56.92 41.34,55.76 41.34,55.12 v1(41.34,55.11) ; v1(41.24,17.01) 41.24,17.76
  Bottom w0.152: v1(41.34,55.11) 41.49,54.97 41.49,23.93 44.3,21.11 44.3,19.45 43.76,18.9 43.3,18.9 42.92,18.52 42.92,17.53 42.2,16.81 41.44,16.81 v1(41.24,17.01)
LS_3: length 26.5
  Top w0.152: v1(40.03,16.64) 40.03,17.75 IC1.9 ; v1(49.89,35.01) 49.98,35.1 J1.3
  Bottom w0.152: v1(49.89,35.01) 48.79,33.91 48.79,25.59 48.31,25.11 47.66,25.11 45.3,22.74 45.3,19.25 42.59,16.55 41.34,16.55 41.25,16.64 v1(40.03,16.64)
LS_X: length 25
  Top w0.152: J1.1 50.98,35.24 50.3,34.56 43.7,34.56 41.97,32.83 41.97,24.96 40.3,23.28 39.22,23.28 38.14,22.2 38.14,21.26 38.43,20.97 38.61,20.97
LS_Y: length 24.7
  Top w0.152: J1.4 49.48,35.24 49.05,34.81 43.59,34.81 41.72,32.94 41.72,25.06 40.19,23.53 39.11,23.53 37.89,22.31 37.89,20.99 38.3,20.57 IC1.2
M_IN: length 64.9
  Top w0.152: J4.3 6.86,7.96 7.09,8.19 7.09,8.19 13.69,8.19 14.6,9.1 14.6,12.7 27.76,25.86 27.76,50.2 27.62,50.34 27.62,51.88 v1(28.08,52.34)
  Bottom w0.152: TP6.1 23.98,54.52 23.98,53.18 24.94,52.22 27.97,52.22 28.08,52.33 v1(28.08,52.34)
MCLR: length 6.1
  Top w0.152: R2.1 46.31,56.93 ; TP24.1 50.19,56.91 R3.1
PGC: length 45.7
  Top w0.152: TP31.1 46.49,53.61 45.78,52.9 45.78,43.92 51.82,37.89 51.82,34.99 50.62,33.79 44.01,33.79 42.74,32.52 42.74,24.64 41.25,23.15 IC1.24
PGD: length 48.6
  Top w0.152: IC1.25 40.85,23.11 42.48,24.75 42.48,32.62 43.91,34.05 50.51,34.05 51.56,35.1 51.56,37.78 45.52,43.82 45.52,53.95 46.29,54.71 TP27.1
R1_BUTTON: length 19.7
  Top w0.152: v1(39.13,17.73) 39.18,17.77 IC1.8
  Bottom w0.152: v1(39.13,17.73) 39.1,17.76 36.64,17.76 35.75,18.65 33.97,18.65 33.8,18.82 25.98,18.82 22.92,15.76 21.94,15.76 J3.6
R2_1_BUTTON: length 22.5
  Top w0.152: v1(39.09,17.28) 39.32,17.28 39.71,16.89 39.71,16.53 39.9,16.33 40.15,16.33 40.45,16.63 IC1.10
  Bottom w0.152: v1(39.09,17.28) 38.93,17.44 36.54,17.44 35.59,18.4 33.86,18.4 33.7,18.57 26.09,18.57 22.94,15.41 21.61,15.41
R2_2_BUTTON: length 22.4
  Top w0.152: v1(40.84,16.99) 40.84,17.76
  Bottom w0.152: v1(40.84,16.99) 40.8,16.94 39.78,16.94 39.55,16.71 33.61,16.71 32.02,18.31 26.2,18.31 22.87,14.98 21.36,14.98
R-: length 54.8
  Top w0.254: v1(26.21,41.68) 26.21,41.14 26.59,40.76 26.59,26.34 18.66,18.42 TP32.1
  Bottom w0.254: LED1.2 22.99,64.3 26.85,60.43 26.85,54.94 29.5,52.29 29.5,48.97 26.21,45.67 v1(26.21,41.68)
RS_X: length 24.7
  Top w0.152: IC1.27 40.02,21.81 v1(40.02,22.41)
  Bottom w0.152: J3.3 20.54,15.11 20.54,16.51 22.42,18.39 23.74,18.39 25.45,20.1 34.33,20.09 34.5,19.93 36.53,19.93 38.7,22.1 39.7,22.1 v1(40.02,22.41)
RS_Y: length 25
  Top w0.152: IC1.28 39.65,22.28 v1(39.51,22.42)
  Bottom w0.152: J3.2 20.27,14.7 20.27,16.59 22.32,18.64 23.64,18.64 25.35,20.35 26.82,20.35 34.44,20.35 34.6,20.18 36.42,20.18 38.66,22.42 v1(39.51,22.42)
RUMBLE+: length 12.6
  Top w0.254: M1.1 47.69,24.71 46.19,26.21 43.99,26.21 43.49,25.71 43.49,25.01 43.69,24.81 43.69,24.27 IC2.9
RUMBLE-: length 11.8
  Top w0.254: M1.2 49.26,17.8 47.26,17.8 46.66,18.4 46.66,19.26 47.33,19.93 47.33,23.21 46.36,24.18 IC2.6
RUMBLE_EN: length 2
  Top w0.25: IC1.22 42.59,22.31 43.75,22.31 IC2.1
RUMBLE_PWM: length 2.3
  Top w0.25: IC1.21 43.34,20.97 43.34,20.98 43.54,21.19 43.77,21.19 44.28,21.7 IC2.2
SCL: length 51.8
  Top w0.152: J4.2 13.6,8.46 14.34,9.2 14.34,12.8 27.5,25.96 27.5,41.18 25.87,42.82 25.86,42.82 24.51,44.16 TP7.1
SDA: length 50.5
  Top w0.152: TP8.1 25.76,42.56 27.25,41.07 27.25,26.07 14.09,12.91 14.09,9.31 13.5,8.72 7.08,8.72 6.84,8.96 J4.1
SPKL+: length 71
  Top w0.35: J4.7 6.54,5.96 7.65,7.07 7.8,7.07 7.8,7.07 15.86,7.07 18.05,9.27 18.05,14.2 29.14,25.29 29.14,55.96 28.19,56.91 TP15.1
SPKL-: length 73.4
  Top w0.35: J4.8 6.68,5.46 7.84,6.62 7.99,6.62 7.99,6.62 16.05,6.62 18.51,9.08 18.51,14.01 29.59,25.1 29.59,56.71 27.59,58.71 TP16.1
USB_DATA+: length 77.7
  Top w0.102: 6.29,4.46 6.44,4.61 6.73,4.61 8.21,6.09 16.27,6.09 19.04,8.86 19.04,13.79 30.19,24.94 30.19,59.23 27.88,61.54 24.05,61.54 TP4.1
USB_DATA-: length 77
  Top w0.102: TP5.1 24.05,61.33 27.8,61.33 29.99,59.14 29.99,25.03 18.83,13.87 18.83,8.94 16.18,6.29 8.13,6.29 6.65,4.81 6.44,4.81 6.29,4.96
W_IN: length 64.2
  Top w0.152: v1(28.44,51.16) 28.53,51.08 28.53,25.54 17.44,14.45 17.44,9.52 15.61,7.68 7.55,7.68 7.55,7.68 7.3,7.68 6.58,6.96 J4.5
  Bottom w0.152: v1(28.44,51.16) 27.9,51.71 TP13.1
X_BUTTON: length 17.7
  Top w0.152: v1(38.19,18.99) 38.83,18.99
  Bottom w0.152: v1(38.19,18.99) 38.01,19.16 34.18,19.16 34.01,19.33 25.77,19.33 23.15,16.71 22.36,16.71
Y_BUTTON: length 18.1
  Top w0.152: v1(38.17,18.56) 38.84,18.56
  Bottom w0.152: v1(38.17,18.56) 37.82,18.91 34.07,18.91 33.91,19.07 25.88,19.08 23.08,16.28 22.11,16.28
Net-(D1-A): length 4.7
  Top w0.254: D1.2 49.57,17.06 IC9.5
Net-(D1-K): length 1.5
  Top w0.254: 47.64,14.86 R4.1
Net-(IC1-RE3/~{MCLR}/VPP): length 46
  Top w0.152: IC1.26 40.45,23.07 42.23,24.85 42.23,32.73 43.8,34.3 50.41,34.3 51.31,35.2 51.31,37.67 45.27,43.71 R3.2
Net-(IC2-LRA/~{ERM}): length 1
  Top w0.25: IC2.3 44.78,21.25
Net-(IC6-Y): length 4
  Top w0.16: 45.31,16.46 45,16.46 44.71,16.75 44.71,17.74 45.03,18.07 45.65,18.07 45.96,18.38 IC6.4

## Copper pours and planes (outline as drawn; the poured copper is in the pictures)
+1V15 on Top, Bottom: 3.69,12.31 2.49,12.31 2.49,9.11 -0.11,9.11 -0.11,14.91 3.69,14.91
+3V3 on Top: 48.09,56.31 50.09,56.31 50.09,54.71 48.09,54.71
+3V3 on Bottom: -0.11,9.11 2.49,9.11 2.49,5.51 -0.11,5.51
+3V3 on In2.Cu: 71.49,81.11 71.49,-4.89 -6.51,-4.89 -6.51,81.11
+5V on Top: 21.09,27.91 23.49,26.71 21.69,23.31 19.29,24.51
+5V on In2.Cu: 8.89,11.31 13.89,11.31 21.69,23.31 23.49,26.71 21.09,27.91 14.09,15.11 8.89,14.91
GND on Top, Bottom, In1.Cu: -7.97,82.53 -7.97,-5.78 73.56,-5.78 73.56,81.66 72.69,82.53

## Text on the board
B.Silkscreen: I2S_C | I2S_M | I2S_D | I2S_W | 1.15V | 3.3V | GND | GhostPAW
F.Silkscreen: 1.15V | LED+ | R- | G- | B- | W- | 5V | GND | SCL | BT- | BT+ | D+ | D- | SPK- | SPK+ | GC1 | SDA | F- | F+ | FT | BTN | 3.3V | PGC | MCLR | PGD | GC2 | BitBuilt.net | V${REVISION} | _RoseDagger 2025 | GhostPAW
